# Altium PCB DIOT_PSU_integrated.PcbDoc (part 1 of 2)
Units mm, origin at the board's own origin, x right, y up, seen from the top; angles counter-clockwise.
Board outline 217.37 x 100 mm, 4 copper layers (Top Layer, L2, L3, Bottom Layer), stack 1.57 mm thick; 138 components, 100 nets, 448 pads, 32 vias.
Unrouted connection lines stored in the file: 206.
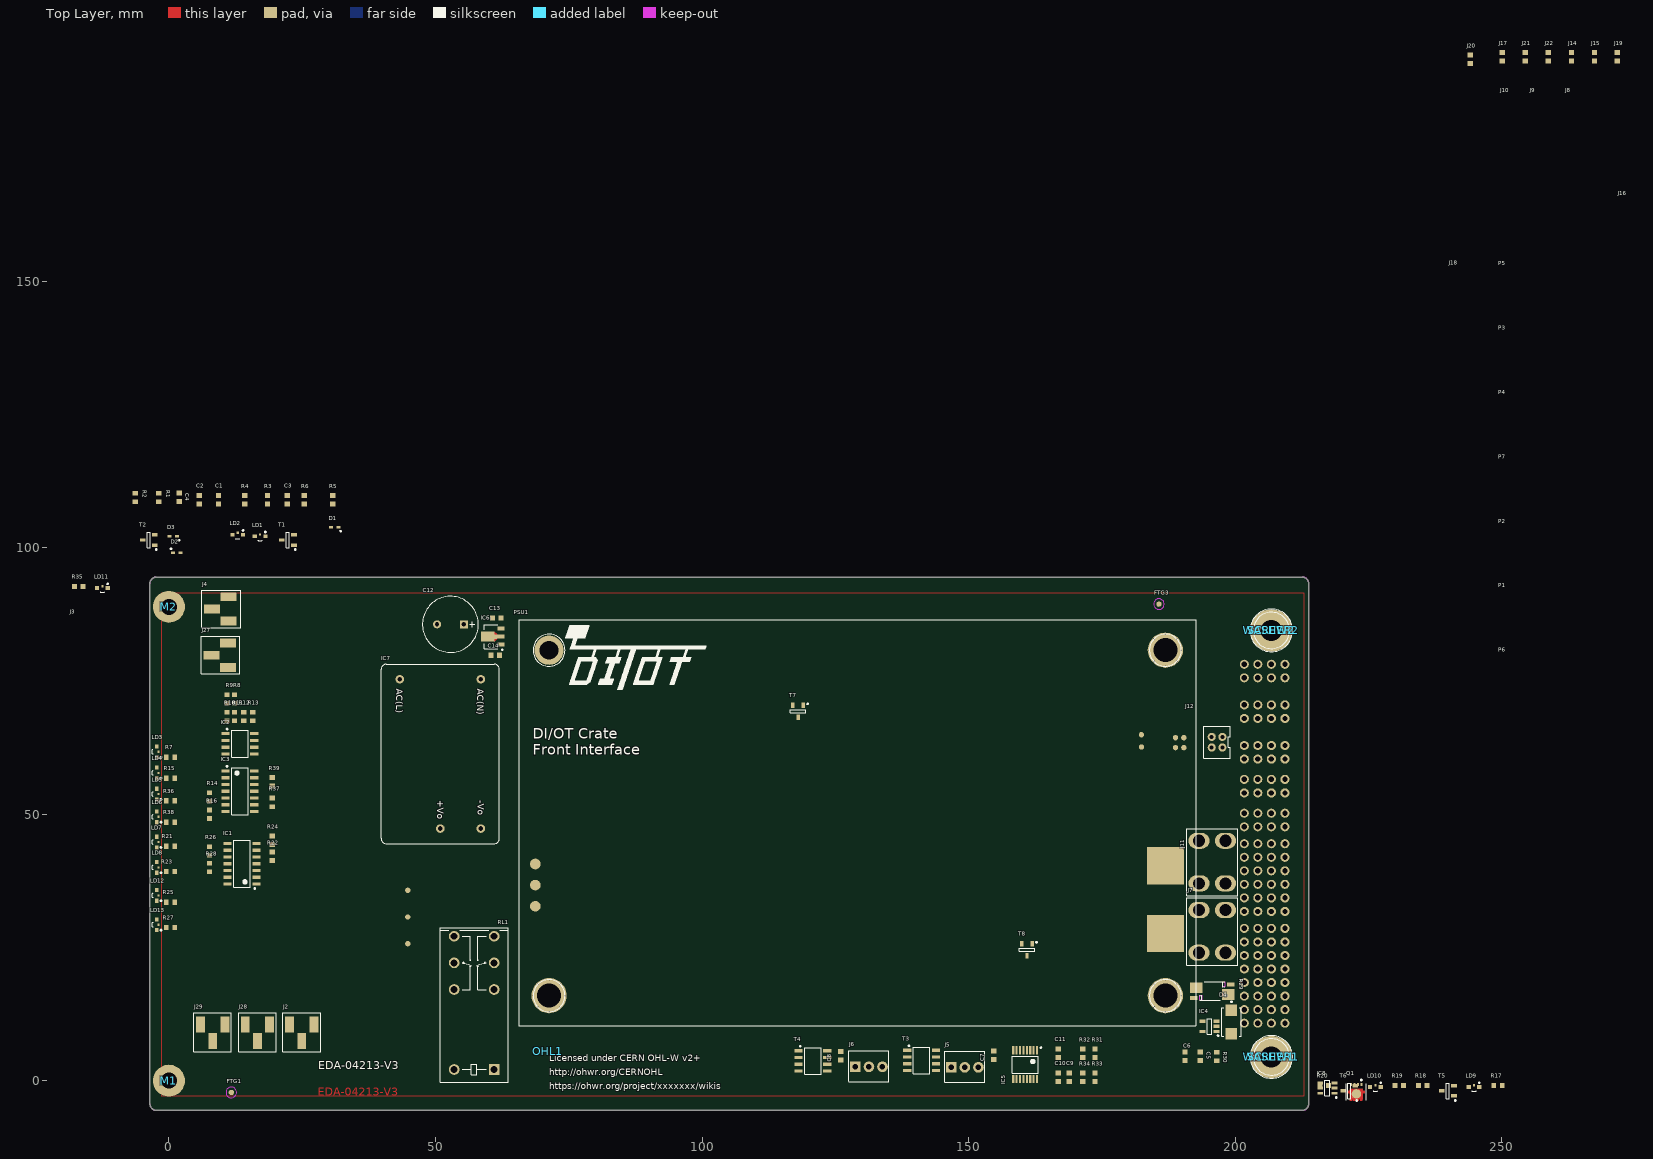
[diagram p0: Top Layer view]
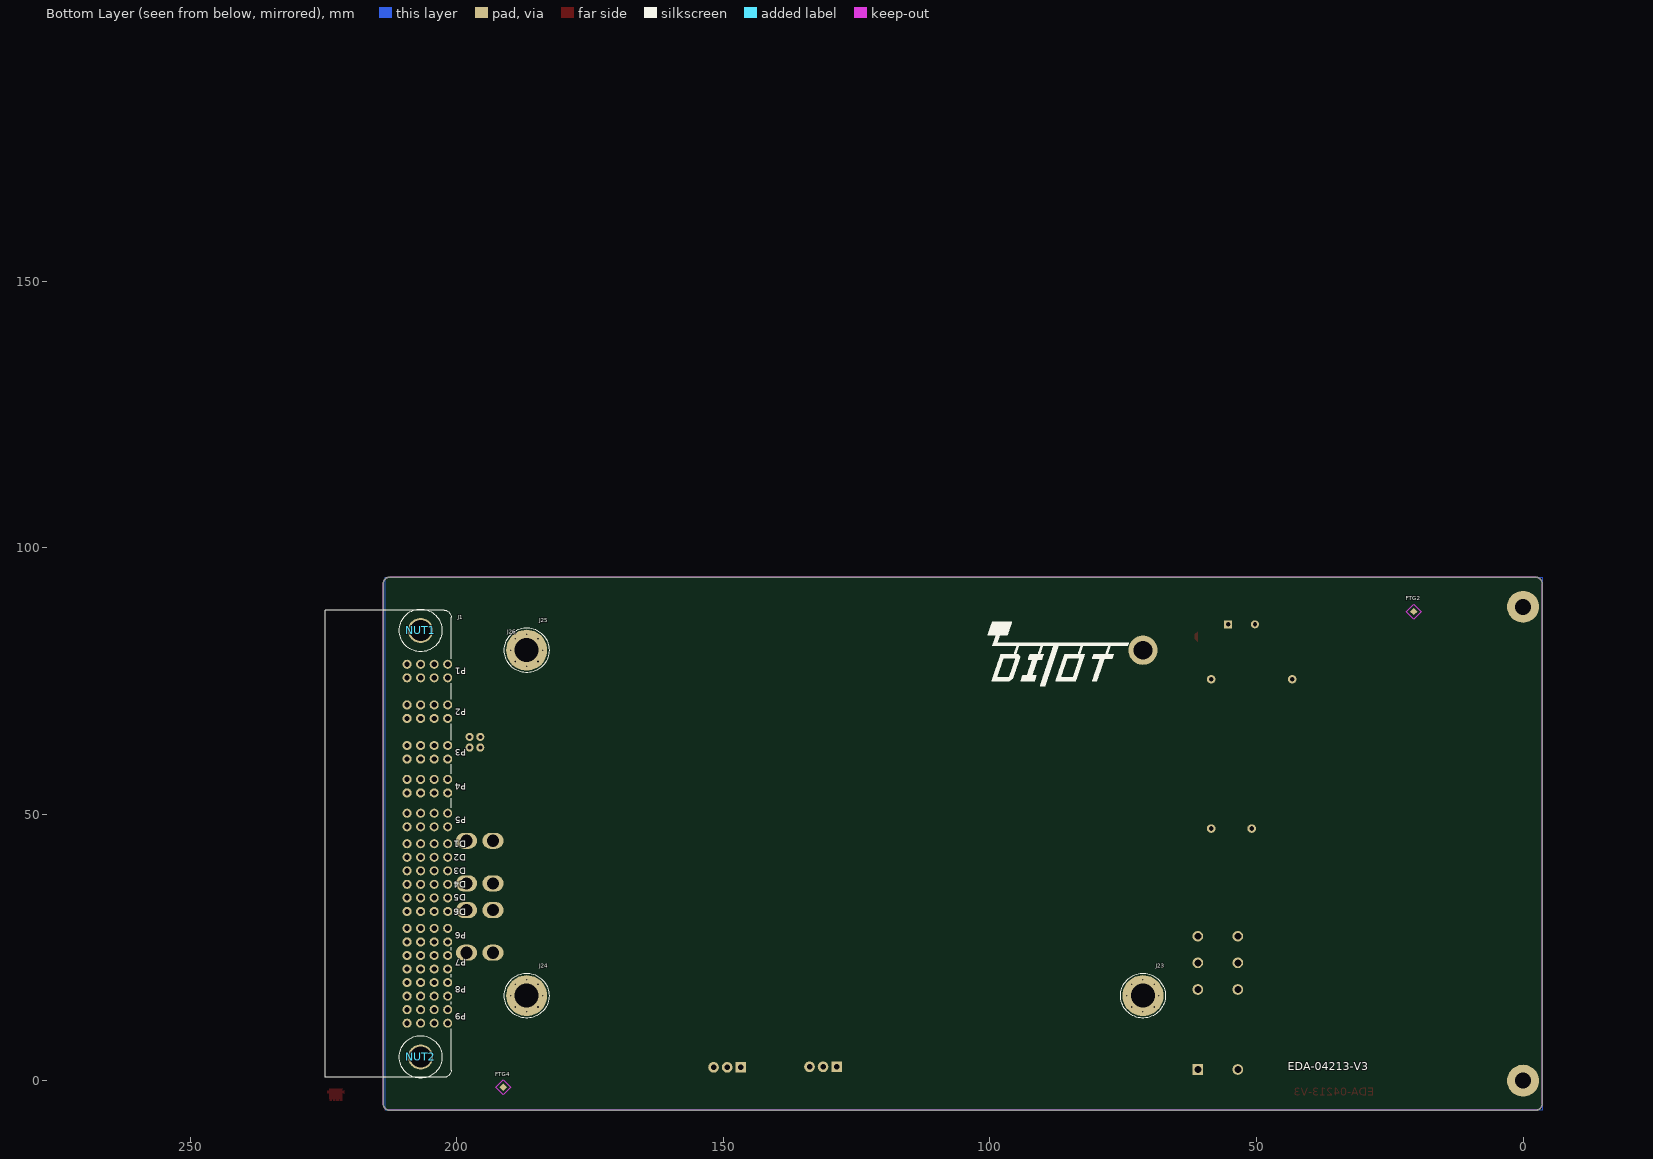
[diagram p1: Bottom Layer view, seen from below]
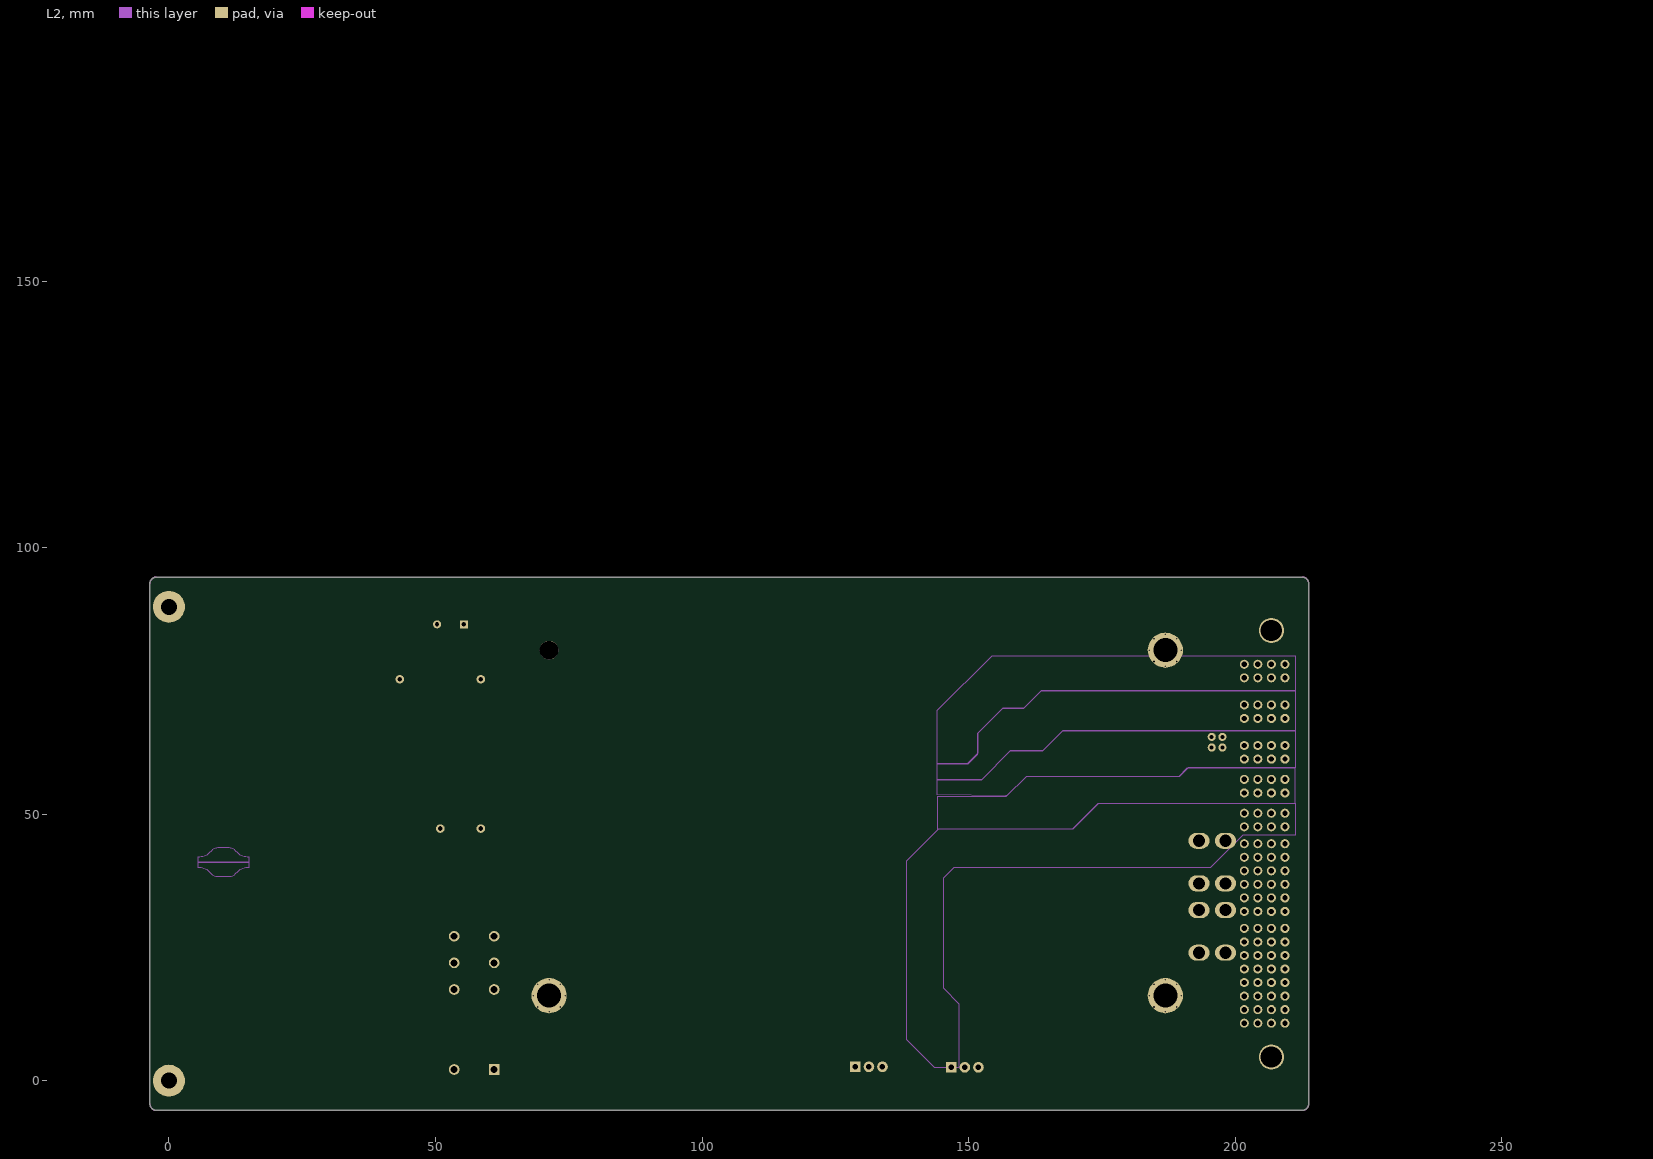
[diagram p2: L2]
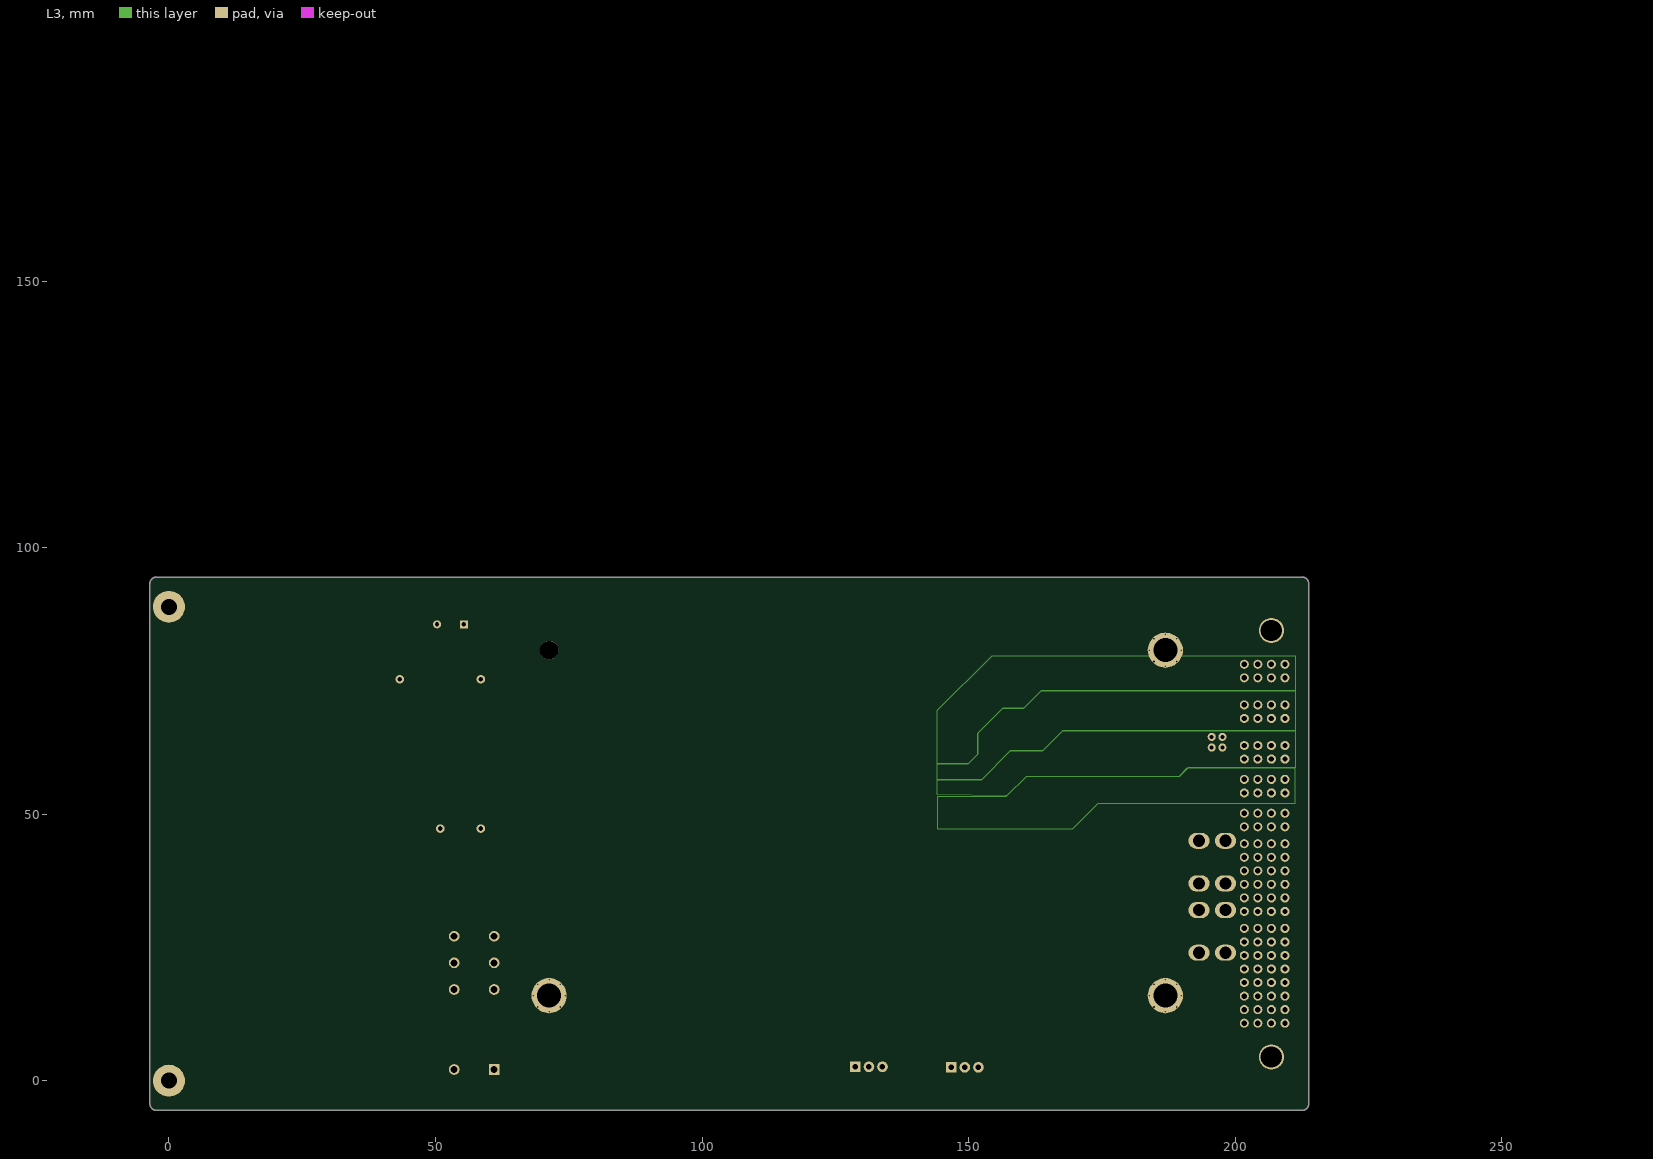
[diagram p3: L3]

## Layer stack, top to bottom
Top Solder: solder mask 0.013, Solder Resist, Dk 3.5
Top Layer: signal copper 0.07
Dielectric2: prepreg 0.18, FR-4, Dk 4.3
L2: signal copper 0.035
Dielectric 2: core 1, FR-4, Dk 4.3
L3: signal copper 0.035
Dielectric 3: prepreg 0.18, FR-4, Dk 4.3
Bottom Layer: signal copper 0.07
Bottom Solder: solder mask 0.013, Solder Resist, Dk 3.5

## Board outline
-3.57,-4.35 ccw(c-2.37,-4.35) -2.37,-5.55 212.6,-5.55 ccw(c212.6,-4.35) 213.8,-4.35 213.8,93.25 ccw(c212.6,93.25) 212.6,94.45 -2.37,94.45 ccw(c-2.37,93.25) -3.57,93.25

## Design rules (kind name [scope] priority, off if disabled: settings)
AcuteAngle [All] p1: minimum=6.00000000000000E+0001 checktracksonly=FALSE
Clearance Clearance_NPTH [not IsSMTPin and not PadIsPlated] p1: gap=0.4 ignorepadtopadclearanceinfootprint=FALSE
Clearance Clearance_Mires [OnLayer('Keep-Out Layer') vs HasFootprint('FIDUCIAL_TOP_S200-400') or HasFootprint('FIDUCIAL_TOP_C100-200') or HasFootprint('FIDUCIAL_TOP_S100-200') or  HasFootprint('FIDUCIAL_TOP_C40-120')] p2: gap=0 ignorepadtopadclearanceinfootprint=FALSE except(4.9: Arc-SMDPad Track-SMDPad)
Clearance Clearance_outer [OnOutside] p3: gap=0.305 ignorepadtopadclearanceinfootprint=FALSE
Clearance Clearance_inner [OnMid] p4: gap=0.254 ignorepadtopadclearanceinfootprint=FALSE
ComponentClearance Overlapping_1 [InComponentClass('Overlapping') vs InComponentClass('Overlapping')] p1: gap=0 collisioncheckmode=3 verticalgap=0 showdistances=FALSE
ComponentClearance ComponentClearance_pressfit [HasCompParameterValue('PressFit','Yes') vs InComponent('No Component')] p2: gap=5 collisioncheckmode=3 verticalgap=0.254 showdistances=FALSE
ComponentClearance ComponentClearance_NM [InComponentClass('NotMounted')] p3: gap=0 collisioncheckmode=3 verticalgap=0 showdistances=FALSE
ComponentClearance Overlapping [InComponent('M3') or InComponent('M4') or InComponent('LD1') or InComponent('LD5') or InComponent('LD9') or InComponent('Cage1') or InComponent('HS2') or InComponent('J5') or InComponent('J3')] p4: gap=0 collisioncheckmode=3 verticalgap=0 showdistances=TRUE
ComponentClearance ComponentClearance_Top [not InComponentClass('Overlapping') and InComponentClass('Top Side Components') vs InComponentClass('Top Side Components')] p5: gap=0 collisioncheckmode=3 verticalgap=2540 showdistances=FALSE
ComponentClearance [All] p6: gap=0.254 collisioncheckmode=3 verticalgap=0.254 showdistances=FALSE
FabricationTestPointUsage TestPointUsage [All] p1: valid=0 allowmultiple=FALSE
FabricationTestpoint Testpoint [All] p1: side=3 testpointundercomponent=TRUE minsize=1.016 maxsize=2.54 preferedsize=1.524 minholesize=0 maxholesize=1.016 preferedholesize=0.813 testpointgrid=0.025 allowsidetop=TRUE allowsidebottom=TRUE usegrid=TRUE gridtolerance=0
Height Height_Bot [OnBottom] p1: minheight=0 maxheight=20 prefheight=10
Height Height_Top [OnTop] p2: minheight=0 maxheight=35 prefheight=10
HoleSize [All] p1: absolutevalues=TRUE maxlimit=5 minlimit=0.4 maxpercent=80.000 minpercent=20.000
HoleToHoleClearance [All] p1: gap=0.2 allowstackedmicrovias=TRUE
MinimumAnnularRing MinimumAnnularRing_Via [IsVia] p1: minimumring=0.25
MinimumSolderMaskSliver [IsThruPin vs IsThruPin] p1: minsoldermaskwidth=0
PermittedLayers [All] p1: toplayerpermitted=TRUE bottomlayerpermitted=TRUE
PlaneConnect PlaneConnect_Vias [(IsVia or InPadClass('Direct')   )] p1: planeconnectstyle=Direct reliefexpansion=0.508 reliefentries=4 reliefconductorwidth=0.254 reliefairgap=0.254
PlaneConnect "PlaneConnect_0 > 0.5" [AsMM(HoleDiameter)<0.5] p2: planeconnectstyle=Relief reliefexpansion=0.3 reliefentries=4 reliefconductorwidth=0.2 reliefairgap=0.2
PlaneConnect "PlaneConnect_0.5 > 1" [(AsMM(HoleDiameter)>=0.5) and (AsMM(HoleDiameter)<1)] p3: planeconnectstyle=Relief reliefexpansion=0.3 reliefentries=4 reliefconductorwidth=0.25 reliefairgap=0.2
PlaneConnect "PlaneConnect_1 > 1.5" [(AsMM(HoleDiameter)>=1) and (AsMM(HoleDiameter)<1.5)] p4: planeconnectstyle=Relief reliefexpansion=0.3 reliefentries=4 reliefconductorwidth=0.3 reliefairgap=0.2
PlaneConnect "PlaneConnect_1.5 > 2" [(AsMM(HoleDiameter)>=1.5) and (AsMM(HoleDiameter)<4)] p5: planeconnectstyle=Direct reliefexpansion=0.3 reliefentries=4 reliefconductorwidth=0.4 reliefairgap=0.2
PlaneConnect [All] p6: planeconnectstyle=Relief reliefexpansion=0.3 reliefentries=4 reliefconductorwidth=0.5 reliefairgap=0.2
PolygonConnect PolygonConnect_PE [InNet('PE') vs InComponent('J5')] p1: connectstyle=Direct reliefconductorwidth=0.254 reliefentries=4 polygonreliefangle="90 Angle" airgapwidth=0.254
PolygonConnect [All] p2: thpad.connectstyle=Relief thpad.reliefconductorwidth=0.85 thpad.reliefentries=4 thpad.polygonreliefangle="45 Angle" thpad.airgapwidth=0.254 smdpad.connectstyle=Relief smdpad.reliefconductorwidth=0.254 smdpad.reliefentries=4 smdpad.polygonreliefangle="90 Angle" smdpad.airgapwidth=0.254 via.connectstyle=Direct via.reliefconductorwidth=0.254 via.reliefentries=4 via.polygonreliefangle="90 Angle" via.airgapwidth=0.254
RoutingLayers RoutingLayers_MGT [InNetClass('FMC_MGT') or InNetClass('SLOT1_MGT') or InNetClass('SLOT2_MGT')  or InNetClass('SLOT3_MGT')  or InNetClass('SLOT4_MGT') or InNetClass('SLOT5_MGT')  or InNetClass('SLOT6_MGT')    or InNetClass('SLOT7_MGT')   or InNetClass('SLOT8_MGT')] p1: top layer_v5=TRUE mid layer 1_v5=TRUE mid layer 2_v5=TRUE bottom layer_v5=TRUE
RoutingVias [All] p1: holewidth=0.5 width=1 viastyle="Through Hole" minholewidth=0.4 minwidth=1 maxholewidth=1 maxwidth=2
SilkToSilkClearance [All] p1: silktosilkclearance=0.01
SilkToSolderMaskClearance [IsPad and not InPadClass ('Overlay_exceptions')] p1: minsilkscreentomaskgap=0.1 clearancetoexposedcopper=TRUE
SolderMaskExpansion [All] p1: expansion=0.015 istentingtop=FALSE
SupplyNets "Schematic Supply Nets_16" [InNet('P3V3')] p1: voltage=0.000
SupplyNets "Schematic Supply Nets_15" [InNet('FG3')] p2: voltage=0.000
SupplyNets "Schematic Supply Nets_14" [InNet('FG1')] p3: voltage=0.000
SupplyNets "Schematic Supply Nets_13" [InNet('MH1')] p4: voltage=0.000
SupplyNets "Schematic Supply Nets_12" [InNet('FG2')] p5: voltage=0.000
SupplyNets "Schematic Supply Nets_11" [InNet('P12V0_OUT')] p6: voltage=0.000
SupplyNets "Schematic Supply Nets_8" [InNet('P5V0SB')] p7: voltage=0.000
SupplyNets "Schematic Supply Nets_7" [InNet('Vext2')] p8: voltage=0.000
SupplyNets "Schematic Supply Nets_6" [InNet('P12V0')] p9: voltage=0.000
SupplyNets "Schematic Supply Nets_5" [InNet('PE')] p10: voltage=0.000
SupplyNets "Schematic Supply Nets_4" [InNet('P5V')] p11: voltage=0.000
SupplyNets "Schematic Supply Nets_3" [InNet('Vext4')] p12: voltage=0.000
SupplyNets "Schematic Supply Nets_2" [InNet('GND')] p13: voltage=0.000
SupplyNets "Schematic Supply Nets_1" [InNet('Vext3')] p14: voltage=0.000
SupplyNets "Schematic Supply Nets" [InNet('Vext1')] p15: voltage=0.000
UnRoutedNet [Not InNet('CHASSIS')] p1:
ViasUnderSMD [All] p1: allowed=FALSE
Width [All] p1: maxlimit=5 minlimit=0.2 preferedwidth=0.5
18 further rules are at their usual default settings.

## Classes and differential pairs
component class Designator5: C12 C13 C14 IC6 IC7
component class Designator4: J7 J11 J12 J13 J14 J15 J16 J17 J18 J19 J20 J21 J22 J23 J24 J25 J26 PSU1
net class FAN: FANn OTn OVERn PWM1 PWM2 TACH1 TACH2 THERMn
component class Designator2: C7 C8 C9 C10 C11 IC5 J5 J6 R31 R32 R33 R34 T3 T4 T7 T8
net class Power: P12V0
component class Designator3: C5 C6 D4 IC4 IC8 Q1 R29 R30
component class Designator1: C3 C4 IC1 IC2 IC3 LD3 LD4 LD5 LD6 LD7 LD8 LD12 LD13 R7 R8 R9 R10 R11 R12 R13 R14 R15 R16 R21 R22 R23 R24 R25 R26 R27 R28 R36 R37 R38 R39
component class DIOT_PSU_integrated: C1 C2 D1 D2 D3 FTG1 FTG2 FTG3 FTG4 J1 J2 J3 J4 J8 J9 J10 J27 J28 J29 LD1 LD2 LD11 LD12 LD13 M1 M2 NUT1 NUT2 OHL1 P1 P2 P3 P4 P5 P6 P7 R1 R2 R3 R4 R5 R6 R35 R36 R37 R38 R39 RL1 SCREW1 SCREW2 T1 T2 T7 T8 WASHER1 WASHER2

## Components (designator, comment, footprint, x,y, rotation, side; value= is the part's Value field where it differs from the comment)
C1 "100nF" CAPC1608X87N 9.305,109 r270 top
C2 "100nF" CAPC1608X87N 5.705,109 r270 top
C3 "100nF" CAPC1608X87N 22.205,109 r270 top
C4 "100nF" CAPC1608X87N 1.905,109.425 r90 top
C5 "10nF" CAPC1608X87N 193.481,4.55 r90 top
C6 "100nF" CAPC1608X87N 190.605,4.6 r90 top
C7 "1uF" CAPC1608X87N 154.705,4.8 r90 top
C8 "1uF" CAPC1608X87N 126.005,4.7 r90 top
C9 "1nF" CAPC1608X87N 168.905,0.648 r270 top
C10 "1nF" CAPC1608X87N 166.805,0.648 r270 top
C11 "1uF" CAPC1608X87N 166.805,5.148 r270 top
C12 "150uF" CAPPR500-1050X800 52.805,85.6 r180 top
C13 "1uF" CAPC1608X87N 61.505,86.8 r0 top
C14 "100nF" CAPC1608X87N 61.205,79.8 r180 top
D1 "PESD3V3S1UB" SODFL1608X65N 31.105,103.825 r180 top
D2 "PESD3V3S1UB" SODFL1608X65N 1.505,99.025 r0 top
D3 "PESD3V3S1UB" SODFL1608X65N 0.805,102.125 r180 top
D4 "P6SMB15A" DIOM5436X261N 199.305,11 r270 top
FTG1 "Use only in PCB" FIDUCIAL_TOP_C100-200 11.705,-2.2 r180 top
FTG2 "Use only in PCB" FIDUCIAL_TOP_S100-200 20.505,88 r0 bottom
FTG3 "Use only in PCB" FIDUCIAL_TOP_C100-200 185.705,89.4 r180 top
FTG4 "Use only in PCB" FIDUCIAL_TOP_S100-200 191.305,-1.2 r0 bottom
IC1 "LM339AD" SOIC127P600X175-14N 13.705,40.7 r180 top
IC2 "TL431CD" SOIC127P600X175-8N 13.305,63.2 r0 top
IC3 "LM339AD" SOIC127P600X175-14N 13.305,54.3 r0 top
IC4 "INA194AIDBVT" SOT95P280X145-5N 195.205,10.2 r180 top
IC5 "MAX6639AEE+" SOP63P600X175-16N 160.605,3 r270 top
IC6 "L78L33ACUTR" SOT89 60.405,83.3 r180 top
IC7 "IRM-02-5" PWS_MEANWELL_IRM-02 50.905,61.3 r270 top
IC8 "LTC4412HVIS6" SOT95P280X100-6N 217.304,-1.4 r180 top
J1 "PwrBlade" AMPHENOL_51939-667 209.34,10.79 r0 bottom locked
J2 "4928" KEYSTONE_4928 24.919,8.5 r270 top
J3 "FN9264-2-06" FN9264-2-06 -18.195,45.7 r0 top locked
J4 "4928" KEYSTONE_4928 9.205,88.5 r180 top
J5 "MX-22-23-2031" "Molex 22-23-2031" 149.305,2.5 r0 top
J6 "MX-22-23-2031" "Molex 22-23-2031" 131.305,2.6 r0 top
J7 "AMT0430015DB0000G" AMT0430015DB0000G 195.705,28 r90 top
J8 "VHR-3N" VHR-3N 267.905,178.8 r180 top
J9 "SVH-41T-P1.1" SVH-41T-P1.1 257.204,179.4 r270 top
J10 "SVH-41T-P1.1" SVH-41T-P1.1 251.704,179.4 r270 top
J11 "AMT0430015DB0000G" AMT0430015DB0000G 195.705,41 r270 top
J12 "DF11-4DP-2DSA(01)" DF11-4DP-2DSA(01) 195.605,62.5 r90 top
J13 "DF11-4DS-2C" DF11-4DS-2C 280.005,162.5 r90 top
J14 "DF11-2428SC" DF11-2428SC#1 263.105,192.05 r90 top
J15 "DF11-2428SC" DF11-2428SC#1 267.405,192.05 r90 top
J16 "DF11-4DS-2C" DF11-4DS-2C 274.205,162.4 r90 top
J17 "DF11-2428SC" DF11-2428SC#1 250.105,192.05 r90 top
J18 "DF11-2428SC" DF11-2428SC#2 243.105,149.5 r180 top
J19 "DF11-2428SC" DF11-2428SC#1 271.705,192.05 r90 top
J20 "DF11-2428SC" DF11-2428SC#1 244.105,191.6 r90 top
J21 "DF11-2428SC" DF11-2428SC#1 254.405,192.05 r90 top
J22 "DF11-2428SC" DF11-2428SC#1 258.705,192.05 r90 top
J23 "9775066360R" 9775066360R 71.305,15.95 r0 bottom
J24 "9775066360R" 9775066360R 186.905,15.95 r0 bottom
J25 "9775066360R" 9775066360R 186.905,80.75 r0 bottom
J26 "9775066360R" 9775066360R 186.905,80.75 r270 bottom
J27 "4928" KEYSTONE_4928 9.105,79.814 r180 top
J28 "4928" KEYSTONE_4928 16.605,8.5 r270 top
J29 "4928" KEYSTONE_4928 8.205,8.5 r270 top
LD1 "Green" LED_AVAGO_HSME-C120 17.105,102.125 r180 top
LD2 "Green" LED_AVAGO_HSME-C120 12.905,102.425 r180 top
LD3 "Green" LED_AVAGO_HSME-C120 -2.295,61.7 r90 top
LD4 "Green" LED_AVAGO_HSME-C120 -2.295,57.75 r90 top
LD5 "Green" LED_AVAGO_HSME-C120 -2.295,53.75 r90 top
LD6 "Green" LED_AVAGO_HSME-C120 -2.295,49.5 r90 top
LD7 "Green" LED_AVAGO_HSME-C120 -2.295,44.75 r90 top
LD8 "Green" LED_AVAGO_HSME-C120 -2.295,40 r90 top
LD9 "Green" LED_AVAGO_HSME-C120 244.804,-1.2 r180 top
LD10 "Green" LED_AVAGO_HSME-C120 226.304,-1.2 r180 top
LD11 "Green" LED_AVAGO_HSME-C120 -12.496,92.4 r180 top
LD12 "Green" LED_AVAGO_HSME-C120 -2.295,34.75 r90 top
LD13 "Green" LED_AVAGO_HSME-C120 -2.295,29.25 r90 top
M1 "Plated Hole" MTG300_600 0,0 r90 top locked
M2 "Plated Hole" MTG300_600 0,88.9 r90 top locked
NUT1 "M3" BOSSARD_BN628-1241443_v 206.8,84.455 r180 bottom
NUT2 "M3" BOSSARD_BN628-1241443_v 206.8,4.445 r180 bottom
OHL1 "CERN_OHL" CERN_OHL 71.105,5.5 r0 top
P1 "0191640050" 0191640050 261.905,86.883 r0 top
P2 "0191640050" 0191640050 261.905,98.967 r0 top
P3 "0191640050" 0191640050 261.905,135.217 r0 top
P4 "0191640050" 0191640050 261.905,123.133 r0 top
P5 "0191640050" 0191640050 261.905,147.3 r0 top
P6 "0191640050" 0191640050 261.905,74.8 r0 top
P7 "0191640050" 0191640050 261.905,111.05 r0 top
PSU1 "LOP-400" LOP-400-12 71.305,80.75 r0 top locked
Q1 "AONR21307" FP-DFN3x3A_8L_EP1_P-MFG 222.704,-2.1 r180 top
R1 "0" RESC1608X55N -1.895,109.4 r90 top
R2 "0" RESC1608X55N -6.295,109.4 r90 top
R3 "1k" RESC1608X55N 18.505,108.975 r270 top
R4 "10k" RESC1608X55N 14.205,108.975 r270 top
R5 "10k" RESC1608X55N 30.705,108.975 r270 top
R6 "1k" RESC1608X55N 25.405,108.975 r270 top
R7 "1k" RESC1608X55N 0.305,60.7 r180 top
R8 "1k" RESC1608X55N 12.305,71.6 r90 top
R9 "1k" RESC1608X55N 10.905,71.6 r90 top
R10 "10k" RESC1608X55N 10.905,68.3 r270 top
R11 "10k" RESC1608X55N 12.305,68.3 r90 top
R12 "10k" RESC1608X55N 14.005,68.3 r270 top
R13 "10k" RESC1608X55N 15.705,68.3 r90 top
R14 "10k" RESC1608X55N 7.605,53.2 r270 top
R15 "1k" RESC1608X55N 0.305,56.75 r180 top
R16 "10k" RESC1608X55N 7.605,50 r270 top
R17 "1k" RESC1608X55N 249.304,-0.9 r180 top
R18 "10k" RESC1608X55N 235.204,-0.9 r180 top
R19 "1k" RESC1608X55N 230.804,-0.9 r180 top
R20 "10k" RESC1608X55N 216.704,-0.9 r180 top
R21 "1k" RESC1608X55N 0.305,44 r180 top
R22 "10k" RESC1608X55N 19.405,42.1 r90 top
R23 "1k" RESC1608X55N 0.305,39.25 r180 top
R24 "10k" RESC1608X55N 19.405,45.1 r90 top
R25 "1k" RESC1608X55N 0.305,33.5 r180 top
R26 "10k" RESC1608X55N 7.605,43.1 r270 top
R27 "1k" RESC1608X55N 0.305,28.75 r180 top
R28 "10k" RESC1608X55N 7.605,40 r270 top
R29 "0R002" RES_VISHAY_WSK2512_0R005-0R2 195.705,16.8 r180 top
R30 "10k" RESC1608X55N 196.581,4.55 r90 top
R31 "10k" RESC1608X55N 173.705,5.148 r270 top
R32 "10k" RESC1608X55N 171.405,5.148 r270 top
R33 "10k" RESC1608X55N 173.705,0.648 r270 top
R34 "10k" RESC1608X55N 171.405,0.648 r270 top
R35 "1k" RESC1608X55N -16.896,92.7 r180 top
R36 "1k" RESC1608X55N 0.305,52.5 r180 top
R37 "10k" RESC1608X55N 19.405,52.2 r90 top
R38 "1k" RESC1608X55N 0.305,48.5 r180 top
R39 "10k" RESC1608X55N 19.405,56.1 r90 top
RL1 "REL_OMRON_G2RL-24" REL_OMRON_G2RL-24 57.255,14.2 r90 top value=5VDC
SCREW1 "M3x10" BOSSARD_BN5687-3061608_v 206.8,4.445 r0 top
SCREW2 "M3x10" BOSSARD_BN5687-3061608_v 206.8,84.455 r0 top
T1 "BSS138LT1G" SOT95P240X110-3N 22.305,101.425 r180 top
T2 "BSS138LT1G" SOT95P240X110-3N -3.795,101.425 r180 top
T3 "IRF7424" SOIC127P600X175-8N 141.205,3.8 r0 top
T4 "IRF7424" SOIC127P600X175-8N 120.805,3.7 r0 top
T5 "BSS138LT1G" SOT95P240X110-3N 239.904,-1.9 r180 top
T6 "BSS138LT1G" SOT95P240X110-3N 221.404,-1.9 r180 top
T7 "MMBT3906LT1G" SOT95P240X110-3N 118.005,69.3 r270 top
T8 "MMBT3906LT1G" SOT95P240X110-3N 160.955,24.55 r270 top
WASHER1 "D6xd3.2" BOSSARD_BN83728-8243964_v 206.8,4.445 r90 top
WASHER2 "D6xd3.2" BOSSARD_BN83728-8243964_v 206.8,84.455 r0 top

## Footprints (in the part's own frame and the unit in brackets; to place one, negate y for a bottom-side part, rotate by r counter-clockwise, add the part's x,y. Pads: shape width x height; smd on the part's side, far side on the other; paste and mask are expansions set on the pad)
0191640050 [mm]
  body extent -12.7,-4.95 25.4,4.95, height 3.85
9775066360R [mm]
  round 7.7 / inner round 6.6 / far side round 6.6 hole 4.5: 1(0,0)
  silkscreen extent -4.2,-4.2 4.2,4.2, body extent -3,-3 2.99,3, height 1
AMPHENOL_51939-667 [mm] "Right Angle PowerBlade Power Connector 3ACP + 2P + 24S + 4P Contacts"
  round 1.7 hole 1: A1(0,-33.66) A2(0,-31.12) A3(0,-28.58) A4(0,-26.04) A5(0,-23.5) A6(0,-20.96) B1(-2.54,-33.66) B2(-2.54,-31.12) B3(-2.54,-28.58) B4(-2.54,-26.04) B5(-2.54,-23.5) B6(-2.54,-20.96) C1(-5.08,-33.66) C2(-5.08,-31.12) C3(-5.08,-28.58) C4(-5.08,-26.04) C5(-5.08,-23.5) C6(-5.08,-20.96) D1(-7.62,-33.66) D2(-7.62,-31.12) D3(-7.62,-28.58) D4(-7.62,-26.04) D5(-7.62,-23.5) D6(-7.62,-20.96) P1(-7.62,-67.32) P1(-7.62,-64.78) P1(-5.08,-67.32) P1(-5.08,-64.78) P1(-2.54,-67.32) P1(-2.54,-64.78) P1(0,-67.32) P1(0,-64.78) P2(-7.62,-59.7) P2(-7.62,-57.16) P2(-5.08,-59.7) P2(-5.08,-57.16) P2(-2.54,-59.7) P2(-2.54,-57.16) P2(0,-59.7) P2(0,-57.16) P3(-7.62,-52.08) P3(-7.62,-49.54) P3(-5.08,-52.08) P3(-5.08,-49.54) P3(-2.54,-52.08) P3(-2.54,-49.54) P3(0,-52.08) P3(0,-49.54) P4(-7.62,-45.73) P4(-7.62,-43.19) P4(-5.08,-45.73) P4(-5.08,-43.19) P4(-2.54,-45.73) P4(-2.54,-43.19) P4(0,-45.73) P4(0,-43.19) P5(-7.62,-39.38) P5(-7.62,-36.84) P5(-5.08,-39.38) P5(-5.08,-36.84) P5(-2.54,-39.38) P5(-2.54,-36.84) P5(0,-39.38) P5(0,-36.84) P6(-7.62,-17.78) P6(-7.62,-15.24) P6(-5.08,-17.78) P6(-5.08,-15.24) P6(-2.54,-17.78) P6(-2.54,-15.24) P6(0,-17.78) P6(0,-15.24) P7(-7.62,-12.7) P7(-7.62,-10.16) P7(-5.08,-12.7) P7(-5.08,-10.16) P7(-2.54,-12.7) P7(-2.54,-10.16) P7(0,-12.7) P7(0,-10.16) P8(-7.62,-7.62) P8(-7.62,-5.08) P8(-5.08,-7.62) P8(-5.08,-5.08) P8(-2.54,-7.62) P8(-2.54,-5.08) P8(0,-7.62) P8(0,-5.08) P9(-7.62,-2.54) P9(-7.62,0) P9(-5.08,-2.54) P9(-5.08,0) P9(-2.54,-2.54) P9(-2.54,0) P9(0,-2.54) P9(0,0)
  round 4.7 / inner round 4.7 / far side round 8 hole 4: MTG1(-2.54,6.345) MTG2(-2.54,-73.665)
  silkscreen extent -8.25,-77.47 15.37,10.16, body extent -8.25,-77.47 15.37,10.16, height 12.57
AMT0430015DB0000G [mm]
  oval 3x4 hole 2.3: 1(-4,-2.5) 1(-4,2.5) 1(4,-2.5) 1(4,2.5)
  silkscreen extent -6.3,-4.8 6.3,4.8, body extent -4.5,-3.25 4.5,3.25, height 12.01
BOSSARD_BN628-1241443_v [mm] "M3 Hexagon Nut ~0,8d, ISO 4032, DIN 934, Stainless Steel A2"
  silkscreen extent -4,-4 4,4, body extent -3.18,-2.75 3.18,2.75, height 2.4
BOSSARD_BN5687-3061608_v [mm] "M3 L=10mm Hexalobular Socket Pan Head Screw, Fully Threaded - Stainless Steel A2"
  silkscreen extent -4,-4 4,4, body extent -2.8,-2.8 2.8,2.8, height 2.4
BOSSARD_BN83728-8243964_v [mm] "Waved Spring Washer for M3 Screw - Steel 440-520 HV - Zinc Plated Blue"
  silkscreen extent -3.4,-3.4 3.4,3.4, body extent -3,-3 3,3, height 0.4
CAPC1608X87N [mm] "Chip Capacitor, Body 1.6x0.8mm IPC Medium Density"
  rect 0.95x1 smd: 1(-0.8,0) 2(0.8,0)
  body extent -0.87,-0.47 0.88,0.48, height 0.87
CAPPR500-1050X800 [mm] "Capacitor, Radial, Pin spacing 5.0mm - Body Diameter 10.0mm X Body Height 8mm"
  rect 1.5x1.5 hole 0.8: 1(-2.5,0)
  round 1.5 hole 0.8: 2(2.5,0)
  silkscreen extent -5.25,-5.25 5.25,5.25, body extent -5.25,-5.23 5.25,5.23, height 8
CERN_OHL [mm]
DF11-4DP-2DSA(01) [mil]
  round 60 hole 30: 1(0,0) 2(0,-78.74) 3(78.74,0) 4(78.74,-78.74)
  silkscreen extent -79,-138 157,59, body extent -79,-138 157,59, height 260
DF11-4DS-2C [mm]
  body extent -3,-2.5 3,2.5, height 3.95
DF11-2428SC#1 [mm]
  rect 0.9x1 smd: 1(-0.8,0) 2(0.8,0)
  body extent -0.87,-0.47 0.88,0.48, height 0.55
DF11-2428SC#2 [mm]
DIOM5436X261N [mm]
  rect 2.2x2.15 smd: 1(-2.2,0) 2(2.2,0)
  silkscreen extent -3.92,-1.8 2.7,1.8, body extent -2.7,-1.95 2.7,1.95, height 2.59
FIDUCIAL_TOP_C100-200 [mm] "Round Fiducial Target, Top Layer, 1.0mm, Top Solder 2.0mm, Keepout =2.0mm"
  round 1 smd paste-0.51 mask+0.5: FTG2(0,0)
  Top Layer keep-out circle w0.1: c0,0 r1
FIDUCIAL_TOP_S100-200 [mm] "Square Fiducial Target, Top Layer, 1.0mm, Top Solder 2.0mm, Keepout =2.0mm"
  rect 1x1 smd rot 45 paste-0.51 mask+0.5: 1(0,0)
  Top Layer keep-out region: 1.414,0 0,-1.414 -1.414,0 0,1.414
FN9264-2-06 [mm]
  round 1 smd: 1(63,-10) 2(63,-15) 3(63,-20)
  body extent 0,-40.98 67.75,40.98, height 32.26
FP-DFN3x3A_8L_EP1_P-MFG [mm]
  rect 0.35x0.5 smd paste+0 mask+0: 1(-0.975,-1.4) 2(-0.325,-1.4) 3(0.325,-1.4) 4(0.975,-1.4)
  round 1.769 smd paste+0 mask+0: 5-6-7-8(-0.038,0.367)
  Top Layer region: -1.225,-0.63 -1.225,-0.215 -1.605,-0.215 -1.605,0.215 -1.225,0.215 -1.225,1.35 -1.175,1.35 -1.175,1.65 -0.775,1.65 -0.775,1.35 -0.525,1.35 -0.525,1.65 -0.125,1.65 -0.125,1.35 0.125,1.35 0.125,1.65 0.525,1.65 0.525,1.35 0.775,1.35 0.775,1.65 1.175,1.65 1.175,1.35 1.225,1.35 1.225,0.215 1.605,0.215 1.605,-0.215 1.225,-0.215 1.225,-0.63
  silkscreen extent -1.9,-2.35 1.9,1.55, body extent -1.71,-1.75 1.71,1.75, height 0.25
KEYSTONE_4928 [mm]
  rect 3x1.65 smd: 1(-2,2.286) 1(-2,-2.286) 1(1.1,0)
  silkscreen extent -4.23,-3.52 3.03,3.52, body extent -3.38,-3.05 2.46,3.05, height 10.5
LED_AVAGO_HSME-C120 [mm] "Green Chip LED, 2-Leads, Body 1.7x1.1mm, Side Emitting Package"
  rect 0.8x0.7 smd: 1(-1,0) 2(1,0)
  rect 0.4x0.4 smd: 3(0,-0.35)
  silkscreen extent -1.13,-0.92 0.42,0.8, body extent -0.85,-0.3 0.85,0.8, height 0.7
LOP-400-12 [mm]
  round 2 smd: CN1.1(-2.565,-48.02) CN1.2(-2.565,-44.06) CN1.3(-2.565,-40.1)
  round 1 smd: CN2.1(111.115,-18.152) CN2.2(111.115,-15.852) CN3.1(119.079,-18.273) CN3.2(119.079,-16.413) CN3.3(117.509,-16.413) CN3.4(117.509,-18.273)
  round 5.5 / inner round 3.5 / far side round 5.5 hole 3.5: FG1(0,0) FG2(0,-64.8) FG3(115.6,-64.8) MH1(115.6,0)
  rect 7x7 smd: V+(115.623,-53.135) V-(115.623,-40.435)
  silkscreen extent -5.71,-70.49 121.29,5.71, body extent -6.37,-70.69 121.29,5.71, height 32.56
"Molex 22-23-2031" [mm] "3-pin Molex Fan connector"
  rect 2x2 hole 1.02: 1(-2.54,0)
  round 2 hole 1.02: 2(0,0) 3(2.54,0)
  silkscreen extent -3.81,-2.79 3.69,3.05, body extent -3.8,-3.15 3.82,3.2, height 10.69
MTG300_600 [mm] "Plated Through Hole: Hole Dia.=3.0mm Pad Dia.=6.0mm"
  round 6 hole 3: 1(0,0)
PWS_MEANWELL_IRM-02 [mm] "IRM-02 Series, Body 33.7x22.2mm, Power Supply"
  round 1.6 hole 0.9: 1(-14,7.6) 2(-14,-7.6) 3(14,7.6) 4(14,0)
  silkscreen extent -16.85,-11.1 16.85,11.1, body extent -16.85,-11.1 16.85,11.1, height 15
REL_OMRON_G2RL-24 [mm] "8 Leads, Row Spacing 7.5 mm; Body 29mm x 12.7mm, OMRON_G2RL Series"
  rect 2x2 hole 1.3: 1(-12.1,-3.75)
  round 2 hole 1.3: 2(2.9,-3.75) 3(7.9,-3.75) 4(12.9,-3.75) 5(12.9,3.75) 6(7.9,3.75) 7(2.9,3.75) 8(-12.1,3.75)
  silkscreen extent -14.5,-6.35 14.5,6.35, body extent -14.5,-6.35 14.5,6.35, height 15.7
RES_VISHAY_WSK2512_0R005-0R2 [mm] "EIA 2512, Metric 6332, Current Sense Resistor, Chip, 0.89mm H, IPC Medium Density"
  rect 1.4x0.76 smd: E1(-3.43,-1.27) E2(3.43,1.27)
  rect 2.29x2.03 smd: I1(-2.985,0.635) I2(2.985,-0.635)
  Top Layer keep-out region: 2.48,1.65 1.84,1.65 1.84,0.89 2.48,0.89
  Top Layer keep-out region: -2.48,-1.65 -1.84,-1.65 -1.84,-0.89 -2.48,-0.89
  silkscreen extent -2.38,-1.72 2.38,1.72, body extent -3.3,-1.72 3.3,1.72, height 0.89
RESC1608X55N [mm] "Chip Resistor, EIA 0603, Metric 1608, Body 1.6x0.8mm, IPC Medium Density"
  rect 0.9x1 smd: 1(-0.8,0) 2(0.8,0)
  body extent -0.87,-0.47 0.88,0.48, height 0.55
SODFL1608X65N [mm] "Ultra Small Outline Diode Flat Lead (SOD-523), Body; 1.2mm L X 0.8mm W X 0.65mm H, IPC Medium Density"
  rect 0.75x0.5 smd: 1(-0.7,0) 2(0.7,0)
  silkscreen extent -1.23,0.63 -0.98,0.87, body extent -0.82,-0.42 0.83,0.43, height 0.65
SOIC127P600X175-8N [mm] "SOIC 8, Pitch 1.27mm - Body 4x5mm, IPC Medium Density"
  rect 1.55x0.6 smd: 1(-2.7,1.905) 2(-2.7,0.635) 3(-2.7,-0.635) 4(-2.7,-1.905) 5(2.7,-1.905) 6(2.7,-0.635) 7(2.7,0.635) 8(2.7,1.905)
  silkscreen extent -2.52,-2.5 1.55,2.88, body extent -3.1,-2.5 3.1,2.5, height 1.75
SOIC127P600X175-14N [mm] "SOIC 14, Pitch 1.27mm - Body 4x8.75mm, IPC Medium Density"
  rect 1.55x0.6 smd: 1(-2.7,3.81) 2(-2.7,2.54) 3(-2.7,1.27) 4(-2.7,0) 5(-2.7,-1.27) 6(-2.7,-2.54) 7(-2.7,-3.81) 8(2.7,-3.81) 9(2.7,-2.54) 10(2.7,-1.27) 11(2.7,0) 12(2.7,1.27) 13(2.7,2.54) 14(2.7,3.81)
  silkscreen extent -2.53,-4.4 1.55,4.78, body extent -3.1,-4.37 3.1,4.38, height 1.75
SOP63P600X175-16N [mm] "SOP, 0.635mm Pitch; 16 Pin, 3.9mm W X 4.895mm L X 1.75mm H Body, IPC Medium Density"
  rect 1.55x0.4 smd: 1(-2.7,2.222) 2(-2.7,1.587) 3(-2.7,0.952) 4(-2.7,0.317) 5(-2.7,-0.318) 6(-2.7,-0.953) 7(-2.7,-1.588) 8(-2.7,-2.223) 9(2.7,-2.222) 10(2.7,-1.587) 11(2.7,-0.952) 12(2.7,-0.317) 13(2.7,0.318) 14(2.7,0.953) 15(2.7,1.588) 16(2.7,2.223)
  silkscreen extent -3.32,-2.45 1.6,3.08, body extent -3.13,-2.49 3.13,2.49, height 1.75
SOT89 [mm] "SOT89-3, 3-Leads, Body 2.48x4.5mm"
  rect 1.25x0.7 smd: 1(-1.89,1.5) 3(-1.89,-1.5)
  rect 1.35x0.7 smd: 2(-1.84,0)
  rect 3x0.85 smd: 2(0.33,0)
  rect 2.475x0.525 smd: 2(0.592,0.687) 2(0.592,-0.687)
  Top Layer region: -1.165,0.425 -0.64,0.95 -0.64,-0.95 -1.165,-0.425
  silkscreen extent -2.23,-2.25 1.24,2.58, body extent -2.44,-2.25 1.81,2.25, height 1.6
SOT95P240X110-3N [mm] "SOT23 3-Leads, Pitch 0.95mm, Body 1.3x2.9mm, IPC Medium Density"
  rect 1.05x0.65 smd: 1(-1.15,0.95) 2(-1.15,-0.95) 3(1.15,0)
  silkscreen extent -1.53,-1.45 0.3,1.92, body extent -1.25,-1.5 1.25,1.5, height 1.1
SOT95P280X100-6N [mm] "SOT23, 0.95mm pitch; 6 pin, 1.625mm W X 2.90mm L X 1.00mm H body, IPC Medium Density"
  rect 1.1x0.55 smd: 1(-1.35,0.95) 2(-1.35,0) 3(-1.35,-0.95) 4(1.35,-0.95) 5(1.35,0) 6(1.35,0.95)
  silkscreen extent -1.78,-1.45 0.48,1.87, body extent -1.4,-1.5 1.4,1.5, height 1
SOT95P280X145-5N [mm] "SOT, 0.95mm pitch; 5 pin, 1.60mm W X 2.90mm L X 1.45mm H body, IPC Medium Density"
  rect 1.1x0.6 smd: 1(-1.3,0.95) 2(-1.3,0) 3(-1.3,-0.95) 4(1.3,-0.95) 5(1.3,0.95)
  silkscreen extent -1.73,-1.45 0.43,1.87, body extent -1.4,-1.5 1.4,1.5, height 1.45
SVH-41T-P1.1 [mm]
  body extent -5.3,-2.1 5.3,2.1, height 4.6
VHR-3N [mm]
  body extent -5.91,-5.7 5.91,4.8, height 29.3